# KiCad board Scan_Head_Set-Relay_board_03.01.2023.kicad_pcb (continued)
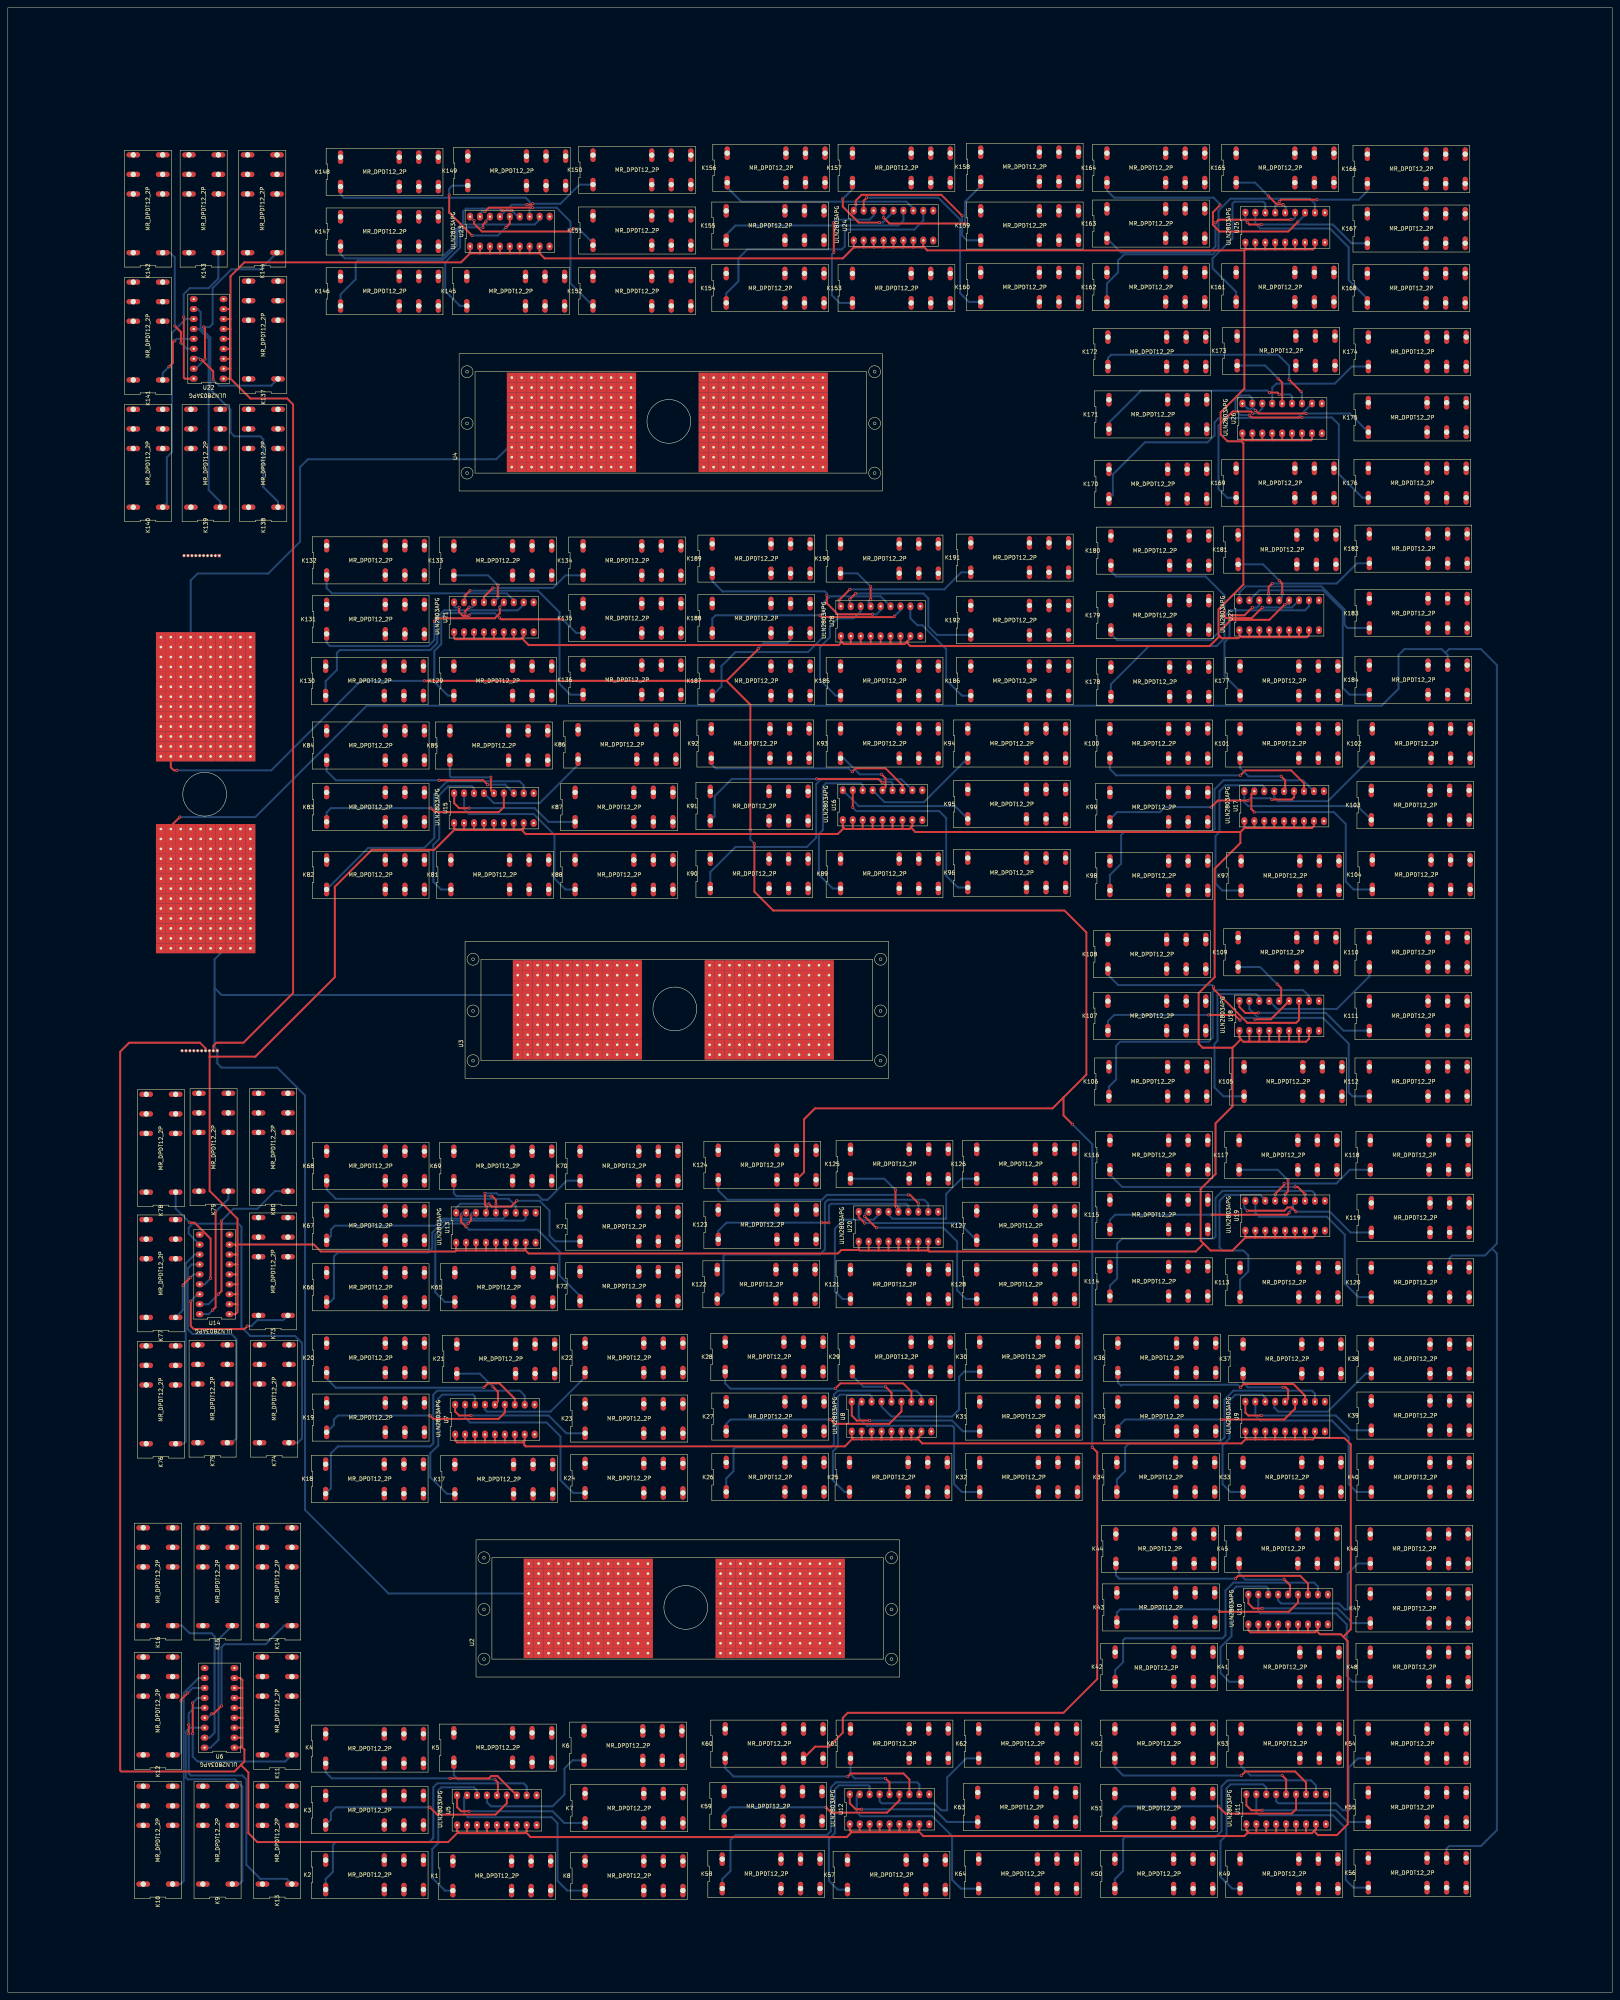
[diagram p0: board, top side]
## Routing (per net, layer and track width the routed paths; a pad name or vN(x,y) marks a point on that pad's centre or on a via; arc(x,y) is an arc through that point) (continued)
Net-(K72-PadA1): length 46.6
  Top w0.508: v1(117.08,195.55) 115.82,196.81 v1(115.82,198.31)
  Bottom w0.508: K72.A1 146.23,177.87 140.97,183.13 140.97,189.23 135.38,194.82 117.81,194.82 v1(117.08,195.55) ; v1(115.82,198.31) 115.82,198.88 116.08,199.14 U13.17
Net-(K73-PadA1): length 36
  Top w0.508: v1(61.21,170.18) 60.45,169.42 47.5,169.42 46.74,170.18 v1(46.74,176.53)
  Bottom w0.508: U14.16 48.51,178.31 v1(46.74,176.53) ; v1(61.21,170.18) 62.23,170.18 63.75,171.7 70.38,171.7 K73.A1
Net-(K74-PadA1): length 90.7
  Bottom w0.508: K74.A1 74.09,140.39 75.18,141.48 75.18,165.86 73.41,167.64 61.98,167.64 59.69,169.93 59.69,195.58 58.93,196.34 47.24,196.34 46.23,195.33 46.23,193.8 U14.11
Net-(K75-PadA1): length 60.6
  Bottom w0.508: K75.A1 57.33,140.39 58.42,141.48 58.42,166.88 57.15,168.15 47.24,168.15 45.97,169.42 45.97,184.91 46.99,185.93 U14.13
Net-(K76-PadA1): length 52.8
  Bottom w0.508: U14.12 47.75,188.47 45.47,186.18 45.47,140.72 44.88,140.13 K76.A1
Net-(K77-PadA1): length 14.5
  Top w0.508: v1(46.67,182.63) 44.77,180.72 v1(44.77,180.59)
  Bottom w0.508: U14.14 47.44,183.39 v1(46.67,182.63) ; K77.A1 44.7,174.22 44.7,180.53 v1(44.77,180.59)
Net-(K78-PadA1): length 29.9
  Top w0.508: v1(51.82,182.37) 51.82,192.5 47.73,196.58 v1(46.5,196.58)
  Bottom w0.508: K78.A1 42.88,200.2 v1(46.5,196.58) ; v1(51.82,182.37) 50.29,180.85 U14.15
Net-(K79-PadA1): length 35.8
  Top w0.508: v1(52.32,174.24) 53.09,175.01 v1(53.09,199.39)
  Bottom w0.508: K79.A1 56.34,202.64 v1(53.09,199.39) ; U14.18 51.31,173.23 v1(52.32,174.24)
Net-(K80-PadA1): length 45
  Top w0.508: v1(54.61,197.04) 54.61,179.13 v1(53.79,178.31)
  Bottom w0.508: v1(54.61,197.04) 54.61,197.1 57.66,200.15 63.75,200.15 68.25,204.65 K80.A1 ; U14.17 51.25,175.77 v1(53.79,178.31)
Net-(K81-PadA1): length 39.4
  Bottom w0.508: K81.A1 110.69,281.74 108.71,283.72 108.71,293.12 110.24,294.64 110.24,305.82 112.52,308.1 118.62,308.1 119.13,307.59 U15.16
Net-(K82-PadA1): length 70.8
  Bottom w0.508: K82.A1 92.08,292.35 106.43,292.35 108.97,294.89 108.97,306.07 112.27,309.37 130.81,309.37 131.83,308.36 U15.11
Net-(K83-PadA1): length 52.7
  Top w0.508: v1(108.11,302.51) 109.13,301.5 125.48,301.5 126.75,302.77 U15.13
  Bottom w0.508: v1(108.11,302.51) 82.55,302.51 81.46,301.42 K83.A1
Net-(K84-PadA1): length 52.9
  Top w0.508: v1(122.59,308.52) 121.48,309.63 v1(110.24,309.63)
  Bottom w0.508: v1(122.59,308.52) 127.09,308.52 U15.12 ; K84.A1 81.46,311.99 83.82,309.63 v1(110.24,309.63)
Net-(K85-PadA1): length 19
  Top w0.508: v1(123.44,310.39) 123.44,307.09 U15.14
  Bottom w0.508: v1(123.44,310.39) 113.28,310.39 112.96,310.72 K85.A1
Net-(K86-PadA1): length 30.6
  Bottom w0.508: U15.15 124.21,303.78 135.89,303.78 145.72,313.62 K86.A1
Net-(K87-PadA1): length 35.4
  Top w0.508: U15.18 114.05,303.78 115.32,302.51 v1(117.86,302.51)
  Bottom w0.508: K87.A1 138.13,299.01 134.62,302.51 v1(117.86,302.51)
Net-(K88-PadA1): length 47.5
  Bottom w0.508: K88.A1 142.44,281.74 139.7,284.48 139.7,295.66 134.37,300.99 117.86,300.99 116.59,302.26 U15.17
Net-(K89-PadA1): length 41.9
  Bottom w0.508: U16.16 218.44,308.36 217.93,308.86 209.04,308.86 208.28,308.1 208.28,296.93 207.26,295.91 207.26,285.5 210.77,281.99 K89.A1
Net-(K90-PadA1): length 74.8
  Bottom w0.508: K90.A1 179.5,286.18 185.93,292.61 204.22,292.61 206.56,294.95 206.56,308.66 207.77,309.88 228.35,309.88 U16.11
Net-(K91-PadA1): length 56.4
  Top w0.508: v1(206.66,309.98) 222.48,309.98 v1(223.43,309.03)
  Bottom w0.508: K91.A1 180.63,300.39 180.63,305.6 185.01,309.98 v1(206.66,309.98) ; v1(223.43,309.03) 223.57,309.17 225.75,309.17 226.06,308.86 U16.13
Net-(K92-PadA1): length 54.6
  Top w0.508: v1(215.8,311.82) 216.66,312.67 224.28,312.67 228.6,308.36 U16.12
  Bottom w0.508: v1(215.8,311.82) 214.95,312.67 180.85,312.67 179.76,313.76 K92.A1
Net-(K93-PadA1): length 17
  Top w0.508: U16.14 224.28,307.85 224.28,310.13 v1(223.27,311.15)
  Bottom w0.508: K93.A1 213.56,315.26 217.68,311.15 v1(223.27,311.15)
Net-(K94-PadA1): length 30.2
  Bottom w0.508: U16.15 224.03,304.04 234.06,304.04 K94.A1
Net-(K95-PadA1): length 35
  Bottom w0.508: U16.18 217.42,303.02 242.04,303.02 K95.A1
Net-(K96-PadA1): length 50.9
  Top w0.508: v1(215.9,302.68) U16.17
  Bottom w0.508: K96.A1 242.77,282.24 239.78,285.24 239.78,299.97 238,301.75 216.82,301.75 v1(215.9,302.68)
Net-(K97-PadA1): length 44.6
  Bottom w0.508: U17.16 321.06,307.85 320.55,308.36 311.15,308.36 309.63,306.83 309.63,296.42 308.61,295.4 308.61,283.21 310.34,281.48 K97.A1
Net-(K98-PadA1): length 77.5
  Bottom w0.508: K98.A1 281.61,285.42 284.48,288.29 284.48,295.66 285.24,296.42 307.59,296.42 308.36,297.18 308.36,307.34 310.64,309.63 330.96,309.63 U17.11
Net-(K99-PadA1): length 51.9
  Top w0.508: v1(307.5,302.77) 309.18,304.45 v1(316.9,304.45) ; v1(322.99,304.7) 328.07,304.7 328.68,305.31 U17.13
  Bottom w0.508: v1(316.9,304.45) 317.51,305.05 322.64,305.05 v1(322.99,304.7) ; v1(307.5,302.77) 295.66,302.77 294.39,301.5 283.46,301.5 281.61,299.65 K99.A1
Net-(K100-PadA1): length 57
  Top w0.508: v1(314.96,310.9) 316.23,312.17 327.91,312.17 331.22,308.86 U17.12
  Bottom w0.508: v1(314.96,310.9) 283.21,310.9 281.61,312.49 K100.A1
Net-(K101-PadA1): length 18.2
  Top w0.508: v1(325.37,310.64) 326.39,309.63 326.39,307.09 U17.14
  Bottom w0.508: K101.A1 314.89,312.75 316.99,310.64 v1(325.37,310.64)
Net-(K102-PadA1): length 31.6
  Bottom w0.508: U17.15 323.6,305.31 324.61,304.29 337.31,304.29 348.28,315.26 K102.A1
Net-(K103-PadA1): length 37.1
  Bottom w0.508: U17.18 315.98,304.04 316.99,303.02 344.91,303.02 K103.A1
Net-(K104-PadA1): length 52.9
  Top w0.508: v1(318.52,301.5) 317.75,302.26 317.75,306.07 U17.17
  Bottom w0.508: v1(318.52,301.5) 338.84,301.5 341.88,298.45 341.88,283.72 343.87,281.74 K104.A1
Net-(K105-PadA1): length 44.5
  Bottom w0.508: U18.16 319.79,254.25 319.02,255.02 309.37,255.02 309.12,254.76 309.12,243.08 308.36,242.32 308.36,231.14 310.59,228.9 K105.A1
Net-(K106-PadA1): length 77.6
  Bottom w0.508: U18.11 332.49,254.51 330.96,256.03 308.36,256.03 307.85,255.52 307.85,243.84 306.83,242.82 284.23,242.82 283.21,241.81 283.21,233.17 281.36,231.32 K106.A1
Net-(K107-PadA1): length 52.3
  Top w0.508: v1(314.86,248.32) 313.5,249.68 v1(306.83,249.68) ; v1(318.67,248.57) 322.74,248.57 U18.13
  Bottom w0.508: v1(318.67,248.57) 318.32,248.92 315.47,248.92 v1(314.86,248.32) ; K107.A1 281.1,248.08 282.7,249.68 v1(306.83,249.68)
Net-(K108-PadA1): length 60.9
  Top w0.508: v1(308.09,256.84) 308.09,256.3 316.74,247.65 329.18,247.65 329.95,248.41 U18.12
  Bottom w0.508: K108.A1 281.1,259.92 283.72,257.3 307.63,257.3 v1(308.09,256.84)
Net-(K109-PadA1): length 16.7
  Top w0.508: v1(324.36,257.56) 325.37,256.54 325.37,253.75 U18.14
  Bottom w0.508: v1(324.36,257.56) 319.99,261.92 K109.A1
Net-(K110-PadA1): length 32.3
  Bottom w0.508: U18.15 324.36,251.21 339.6,251.21 347.91,259.51 K110.A1
Net-(K111-PadA1): length 37.2
  Top w0.508: U18.18 314.71,251.71 316.23,250.19 v1(319.53,250.19)
  Bottom w0.508: v1(319.53,250.19) 336.8,250.19 341.33,245.67 K111.A1
Net-(K112-PadA1): length 49.2
  Bottom w0.508: U18.17 317.25,251.21 319.53,248.92 336.04,248.92 342.65,242.32 342.65,229.87 343.61,228.9 K112.A1
Net-(K113-PadA1): length 44.7
  Bottom w0.508: U19.16 321.31,202.44 320.04,203.71 311.15,203.71 309.63,202.18 309.63,190.25 310.39,189.48 315.72,189.48 316.99,188.21 316.99,184.15 314.89,182.04 K113.A1
Net-(K114-PadA1): length 78.2
  Bottom w0.508: U19.11 334.01,203.96 333.25,204.72 310.39,204.72 308.61,202.95 308.61,193.04 308.1,192.53 284.73,192.53 283.46,191.26 283.46,182.37 281.61,180.52 K114.A1
Net-(K115-PadA1): length 52.7
  Top w0.508: v1(307.76,198.63) 326.9,198.63 v1(327.41,199.14)
  Bottom w0.508: v1(327.41,199.14) 327.41,199.39 328.42,200.41 328.42,201.68 U19.13 ; v1(307.76,198.63) 282.96,198.63 281.61,197.28 K115.A1
Net-(K116-PadA1): length 54.9
  Top w0.508: v1(328.93,205.74) 329.6,205.74 v1(331.47,203.87)
  Bottom w0.508: K116.A1 281.61,208.86 284.73,205.74 v1(328.93,205.74) ; v1(331.47,203.87) U19.12
Net-(K117-PadA1): length 19.2
  Top w0.508: v1(326.39,203.87) 327.15,204.63 v1(327.15,207.45)
  Bottom w0.508: v1(326.39,203.87) U19.14 ; v1(327.15,207.45) 324.49,210.11 K117.A1
Net-(K118-PadA1): length 28.8
  Top w0.508: v1(326.14,206.59) 326.14,206.25 323.85,203.97 v1(323.85,203.87)
  Bottom w0.508: v1(326.14,206.59) 328.93,206.59 339.44,206.59 342.95,210.11 K118.A1 ; v1(323.85,203.87) U19.15
Net-(K119-PadA1): length 37.6
  Top w0.508: v1(329.18,199.39) 328.08,200.5 327.05,200.5 326.2,199.64 v1(316.74,199.64)
  Bottom w0.508: K119.A1 343.1,194.11 337.82,199.39 v1(329.18,199.39) ; v1(316.74,199.64) 315.98,200.41 315.98,201.93 U19.18
Net-(K120-PadA1): length 48.9
  Bottom w0.508: K120.A1 345.14,177.6 341.63,181.1 341.63,193.55 337.06,198.12 319.79,198.12 318.77,199.14 U19.17
Net-(K121-PadA1): length 34.2
  Bottom w0.508: K121.A1 213.31,177.09 211.33,179.07 211.33,195.07 213.61,197.36 221.23,197.36 222.5,198.63 U20.16
Net-(K122-PadA1): length 79.4
  Bottom w0.508: U20.11 235.2,201.42 234.19,202.44 209.55,202.44 208.79,201.68 208.79,189.74 207.52,188.47 183.13,188.47 182.88,188.21 182.88,178.69 K122.A1
Net-(K123-PadA1): length 57.9
  Top w0.508: v1(207.93,196.6) v1(209.8,196.6)
  Bottom w0.508: v1(209.8,196.6) 209.8,200.91 210.31,201.42 229.62,201.42 230.12,200.91 U20.13 ; v1(207.93,196.6) 183.64,196.6 181.54,194.49 K123.A1
Net-(K124-PadA1): length 58.5
  Top w0.508: v1(230.12,203.71) 230.54,203.71 v1(232.66,201.58)
  Bottom w0.508: v1(232.66,201.58) U20.12 ; v1(230.12,203.71) 209.3,203.71 208.03,202.44 183.9,202.44 181.54,204.8 K124.A1
Net-(K125-PadA1): length 19.4
  Top w0.508: v1(227.11,200.57) 226.82,200.86 v1(226.82,204.98)
  Bottom w0.508: U20.14 227.84,199.64 227.84,200.66 227.2,200.66 v1(227.11,200.57) ; K125.A1 223.98,207.82 v1(226.82,204.98)
Net-(K126-PadA1): length 31.7
  Bottom w0.508: K126.A1 243.64,207.82 239.78,203.96 239.78,197.61 226.06,197.61 225.04,198.63 U20.15
Net-(K127-PadA1): length 34
  Top w0.508: v1(218.95,196.5) 217.42,198.03 U20.18
  Bottom w0.508: v1(218.95,196.5) 243.15,196.5 K127.A1
Net-(K128-PadA1): length 46.6
  Top w0.508: v1(218.95,198.21) 221.83,195.33 v1(222,195.33)
  Bottom w0.508: v1(218.95,198.21) 218.95,198.88 219.46,199.39 U20.17 ; K128.A1 244.81,177.09 242.57,179.32 242.57,191.77 239.01,195.33 v1(222,195.33)
Net-(K129-PadA1): length 34.4
  Top w0.508: v1(117.86,353.82) 116.84,352.81 v1(116.84,352.34)
  Bottom w0.508: U21.16 119.13,354.33 118.62,353.82 v1(117.86,353.82) ; K129.A1 112.47,331.27 108.97,334.77 108.97,342.65 110.74,344.42 110.74,351.28 111.8,352.34 v1(116.84,352.34)
Net-(K130-PadA1): length 69.3
  Bottom w0.508: K130.A1 81.21,334.95 84.07,337.82 84.07,342.14 84.84,342.9 107.95,342.9 109.73,344.68 109.73,351.28 111.51,353.06 130.3,353.06 131.83,354.58 U21.11
Net-(K131-PadA1): length 56.4
  Top w0.508: v1(125.73,353.78) 125.73,352.3 124.46,351.03 109.77,351.03 v1(109,350.27)
  Bottom w0.508: v1(109,350.27) 109,345.48 107.44,343.92 82.3,343.92 81.46,344.75 K131.A1 ; v1(125.73,353.78) 125.73,354.08 U21.13
Net-(K132-PadA1): length 53
  Bottom w0.508: U21.12 129.29,355.6 127.51,357.38 82.8,357.38 81.46,358.72 K132.A1
Net-(K133-PadA1): length 17.1
  Top w0.508: v1(125.22,359.48) v1(125.22,356.68)
  Bottom w0.508: v1(125.22,356.68) 125.22,356.11 U21.14 ; K133.A1 122.7,362 v1(125.22,359.48)
Net-(K134-PadA1): length 29
  Top w0.508: U21.15 121.67,356.49 v1(123.95,358.78)
  Bottom w0.508: v1(123.95,358.78) 139.32,358.78 142.54,362 K134.A1
Net-(K135-PadA1): length 38
  Top w0.508: v1(117.86,351.79) 117.7,351.64 116.3,351.64 115.32,352.62 v1(115.32,353.78) ; v1(141.73,350.77) 125.98,350.77 v1(125.61,351.15)
  Bottom w0.508: K135.A1 145.24,347.27 v1(141.73,350.77) ; U21.18 114.05,354.08 114.34,353.78 v1(115.32,353.78) ; v1(125.61,351.15) 124.46,352.3 118.36,352.3 v1(117.86,351.79)
Net-(K136-PadA1): length 54.2
  Top w0.508: v1(116.84,356.68) 116.84,356.81 v1(118.11,358.08)
  Bottom w0.508: U21.17 116.84,355.35 v1(116.84,356.68) ; v1(118.11,358.08) 135.44,358.08 140.97,352.55 140.97,334.26 143.71,331.52 K136.A1
Net-(K137-PadA1): length 26.5
  Top w0.508: v1(49.28,417.07) 49.53,417.07 52.48,414.12 v1(52.48,411.99)
  Bottom w0.508: v1(49.28,417.07) 48.77,417.58 47.75,417.58 U22.16 ; v1(52.48,411.99) 54.01,410.46 67.33,410.46 K137.A1
Net-(K138-PadA1): length 64
  Bottom w0.508: K138.A1 69.04,380.8 65.28,384.56 65.28,396.75 64.52,397.51 57.91,397.51 56.9,398.53 56.9,404.3 51.76,409.44 51.76,422.71 49.28,425.2 49.28,429.26 48.51,430.02 U22.11
Net-(K139-PadA1): length 49.1
  Bottom w0.508: K139.A1 54.31,380.8 51.31,383.79 51.31,422.4 48.77,424.94 U22.13
Net-(K140-PadA1): length 52.6
  Bottom w0.508: K140.A1 40.64,380.47 40.64,392.18 41.91,393.45 41.91,414.99 41.91,414.99 41.91,415.59 41.91,415.59 41.91,423.93 45.47,427.48 U22.12
Net-(K141-PadA1): length 16.4
  Top w0.508: v1(41.19,415.29) 42.16,416.27 42.16,421.64 42.42,421.89 v1(42.63,421.89)
  Bottom w0.508: U22.14 43.14,422.4 v1(42.63,421.89) ; v1(41.19,415.29) 39.57,413.68 K141.A1
Net-(K142-PadA1): length 30
  Top w0.508: v1(44.23,421.39) 44.23,424.14 v1(42.67,425.71)
  Bottom w0.508: U22.15 45.76,419.86 v1(44.23,421.39) ; v1(42.67,425.71) 42.67,443.23 42.67,443.23 41.48,444.43 K142.A1
Net-(K143-PadA1): length 41.1
  Top w0.508: v1(44.95,427.99) 44.96,427.99 44.96,412.5 45.21,412.24 U22.18
  Bottom w0.508: v1(44.95,427.99) 44.95,433.83 46.48,435.36 51.31,435.36 53.8,437.85 K143.A1
Net-(K144-PadA1): length 44.3
  Top w0.508: v1(50.37,417.25) 50.37,425.12 v1(50.04,425.45)
  Bottom w0.508: K144.A1 64.54,440.18 57.15,440.18 52.32,435.36 52.32,426.21 51.57,425.45 v1(50.04,425.45) ; v1(50.37,417.25) 50.37,417.14 48.02,414.78 U22.17
Net-(K145-PadA1): length 33.5
  Top w0.508: v1(121.41,450.89) 121.41,451.57 v1(122.17,452.34)
  Bottom w0.508: U23.16 122.17,452.63 v1(122.17,452.34) ; v1(121.41,450.89) 116.88,450.89 115.57,449.58 115.57,445.77 111.76,441.96 111.76,434.59 115.52,430.83 K145.A1
Net-(K146-PadA1): length 67.1
  Bottom w0.508: U23.11 135.89,452.88 134.62,451.61 116.59,451.61 114.81,449.83 114.81,446.28 111,442.47 89.41,442.47 88.9,441.96 88.9,437.64 85.02,433.76 K146.A1
Net-(K147-PadA1): length 58.1
  Top w0.508: v1(126.25,455.19) 126.27,455.21 v1(128.79,455.21)
  Bottom w0.508: v1(128.79,455.21) 130.35,453.64 U23.13 ; v1(126.25,455.19) 125.76,455.68 121.16,455.68 121.19,455.68 117.09,455.68 116.33,454.91 116.33,452.12 114.3,450.09 114.3,446.53 110.74,442.98 86.11,442.98 85.02,444.07 K147.A1
Net-(K148-PadA1): length 54.9
  Bottom w0.508: K148.A1 85.02,459.31 85.85,458.47 132.33,458.47 133.35,457.45 U23.12
Net-(K149-PadA1): length 32.1
  Top w0.508: v1(112.78,459.19) 112.78,454.66 v1(118.62,448.82) ; v1(127.25,450.85) 128.27,451.87 U23.14
  Bottom w0.508: K149.A1 113.59,461.57 112.78,460.76 v1(112.78,459.19) ; v1(127.25,450.85) 125.22,448.82 v1(118.62,448.82)
Net-(K150-PadA1): length 27.2
  Top w0.508: v1(134.07,456.93) 133.84,456.69 v1(132.59,456.69)
  Bottom w0.508: U23.15 128.78,456.69 v1(132.59,456.69) ; K150.A1 146.1,461.82 141.2,456.93 134.08,456.93 v1(134.07,456.93)
Net-(K151-PadA1): length 35.8
  Top w0.508: v1(144.49,450.6) 143.73,449.83 121.16,449.83 119.13,451.87 v1(119.13,452.63)
  Bottom w0.508: v1(119.13,452.63) U23.18 ; K151.A1 149.53,446.86 145.8,450.6 v1(144.49,450.6)
Net-(K152-PadA1): length 49.9
  Top w0.508: v1(121.92,454.95) 122.9,455.93 v1(134.07,455.93)
  Bottom w0.508: v1(134.07,455.93) 140.21,455.93 143.76,452.37 143.76,436.6 K152.A1 ; U23.17 120.65,454.41 121.2,454.95 v1(121.92,454.95)
Net-(K153-PadA1): length 37
  Top w0.508: v1(211.07,444.5) v1(211.07,452.12)
  Bottom w0.508: U24.16 221.23,453.9 220.22,452.88 211.84,452.88 v1(211.07,452.12) ; v1(211.07,444.5) 210.57,443.99 210.57,433.58 212.55,431.6 K153.A1
Net-(K154-PadA1): length 68.7
  Bottom w0.508: K154.A1 183.57,434.01 186.69,437.13 186.69,442.98 188.98,445.26 213.11,445.26 213.87,446.02 213.87,449.83 214.38,450.34 231.65,450.34 233.93,452.63 U24.11
Net-(K155-PadA1): length 50.7
  Bottom w0.508: U24.13 228.85,452.63 227.58,451.36 185.93,451.36 183.57,449 K155.A1
Net-(K156-PadA1): length 51.6
  Bottom w0.508: U24.12 231.39,455.68 229.62,457.45 187.45,457.45 183.82,461.08 K156.A1
Net-(K157-PadA1): length 23.2
  Top w0.508: v1(222.76,452.12) 217.43,452.12 213.36,456.19 v1(213.36,458.18)
  Bottom w0.508: K157.A1 215.83,460.64 v1(213.36,458.18) ; U24.14 226.31,454.9 223.53,452.12 v1(222.76,452.12)
Net-(K158-PadA1): length 35.6
  Top w0.508: v1(223.77,453.39) 225.3,451.87 v1(244.6,451.87)
  Bottom w0.508: v1(223.77,453.39) U24.15 ; K158.A1 248.59,461.44 244.6,457.45 v1(244.6,451.87)
Net-(K159-PadA1): length 43.1
  Top w0.508: v1(216.68,456.73) 216.68,457.73 218.15,459.19 238.54,459.19 v1(243.84,453.9)
  Bottom w0.508: v1(216.68,456.73) 216.68,455.7 U24.18 ; K159.A1 245.06,447.6 243.84,448.82 v1(243.84,453.9)
Net-(K160-PadA1): length 54.8
  Top w0.508: U24.17 218.69,457.71 v1(219.46,458.47)
  Bottom w0.508: K160.A1 245.57,431.85 243.33,434.09 243.33,452.88 237.74,458.47 v1(219.46,458.47)
Net-(K161-PadA1): length 40.8
  Bottom w0.508: K161.A1 313.87,434.41 307.85,440.44 307.85,442.98 312.93,448.06 312.93,456.95 313.44,457.45 320.8,457.45 321.31,456.95 U25.16
Net-(K162-PadA1): length 77.1
  Bottom w0.508: K162.A1 280.85,436.55 283.72,439.42 283.72,442.47 285.24,443.99 307.85,443.99 309.37,445.52 309.37,455.17 312.42,458.22 332.74,458.22 334.01,456.95 U25.11
Net-(K163-PadA1): length 58.1
  Top w0.508: v1(327.91,452.88) 327.88,452.85 309.37,452.85 v1(308.65,452.12)
  Bottom w0.508: U25.13 328.93,453.39 328.42,452.88 v1(327.91,452.88) ; K163.A1 284.46,444.5 307.09,444.5 308.61,446.02 308.61,452.08 v1(308.65,452.12)
Net-(K164-PadA1): length 65
  Top w0.508: v1(329.69,452.34) 327.19,449.83 309.63,449.83 307.92,451.54 307.92,454.74 v1(309.75,456.57)
  Bottom w0.508: U25.12 331.47,454.11 v1(329.69,452.34) ; v1(309.75,456.57) 309.75,456.82 308.1,458.47 282.7,458.47 280.85,460.32 K164.A1
Net-(K165-PadA1): length 16.8
  Top w0.508: v1(322.07,458.94) 324.25,456.77 325.81,456.77 v1(325.88,456.69)
  Bottom w0.508: K165.A1 318.68,462.33 v1(322.07,458.94) ; U25.14 326.64,454.91 326.64,455.93 v1(325.88,456.69)
Net-(K166-PadA1): length 28.8
  Top w0.508: v1(324.87,457.49) 325.34,457.96 v1(334.52,457.96)
  Bottom w0.508: K166.A1 347.4,460.17 345.19,457.96 v1(334.52,457.96) ; v1(324.87,457.49) 323.85,456.48 U25.15
Net-(K167-PadA1): length 35.6
  Top w0.508: v1(316.74,452.12) 317.25,451.61 v1(320.29,451.61)
  Bottom w0.508: K167.A1 343.36,446.84 338.58,451.61 v1(320.29,451.61) ; U25.18 316.23,452.63 v1(316.74,452.12)
Net-(K168-PadA1): length 45.3
  Bottom w0.508: K168.A1 347.4,432.67 342.65,437.42 342.65,445.77 337.82,450.6 320.04,450.6 318.77,451.87 U25.17
Net-(K169-PadA1): length 36.2
  Top w0.508: v1(318.12,403.41) 317.68,403.86 313.02,403.86 v1(310.64,401.48)
  Bottom w0.508: K169.A1 311.61,381.81 309.37,384.05 309.37,400.21 v1(310.64,401.48) ; U26.16 320.55,404.62 319.34,403.41 v1(318.12,403.41)
Net-(K170-PadA1): length 67
  Bottom w0.508: U26.11 329.56,402.21 309.5,402.21 308.36,401.07 308.36,397.76 306.58,395.99 290.58,395.99 282.36,387.77 282.36,382.56 K170.A1
Net-(K171-PadA1): length 54.3
  Top w0.508: v1(324.9,408.18) 324.4,408.69 v1(322.36,408.69)
  Bottom w0.508: v1(324.9,408.18) 327.66,408.18 328.17,407.67 U26.13 ; K171.A1 281.36,400.99 289.56,409.19 321.86,409.19 v1(322.36,408.69)
Net-(K172-PadA1): length 61
  Top w0.508: v1(327.41,411.99) v1(330.45,408.94)
  Bottom w0.508: U26.12 330.71,408.69 v1(330.45,408.94) ; K172.A1 281.1,417.5 281.94,418.34 324.61,418.34 327.41,415.54 v1(327.41,411.99)
Net-(K173-PadA1): length 18.6
  Top w0.508: U26.14 325.63,411.23 v1(324.61,412.24)
  Bottom w0.508: K173.A1 321.26,415.59 v1(324.61,412.24)
Net-(K174-PadA1): length 30.9
  Bottom w0.508: K174.A1 343.46,415.34 339.09,410.97 324.1,410.97 323.09,409.96 U26.15
Net-(K175-PadA1): length 35.2
  Top w0.508: v1(331.73,403.35) 319.6,403.35 v1(318.8,404.15)
  Bottom w0.508: v1(318.8,404.15) 318.38,404.57 316.79,404.57 U26.18 ; K175.A1 342.88,403.35 v1(331.73,403.35)
Net-(K176-PadA1): length 59.6
  Top w0.508: v1(317.25,402.93) 317.85,402.33 v1(330.71,402.33)
  Bottom w0.508: v1(330.71,402.33) 338.33,402.33 340.11,400.56 340.11,387.86 346.15,381.81 K176.A1 ; v1(317.25,402.93) 314.87,402.93 313.69,404.11 313.69,406.65 314.96,407.92 317.25,407.92 318.01,407.16 U26.17
Net-(K177-PadA1): length 32.6
  Top w0.508: v1(312.17,351.79) 316.01,351.79 v1(318.01,353.78)
  Bottom w0.508: K177.A1 314.89,332.34 310.9,336.33 310.9,344.93 312.17,346.2 312.17,351.78 v1(312.17,351.79) ; v1(318.01,353.78) 319.24,353.78 319.79,354.33 U27.16
Net-(K178-PadA1): length 66.8
  Bottom w0.508: K178.A1 281.87,334.19 291.59,343.92 308.86,343.92 310.9,345.95 310.9,351.54 312.42,353.06 331.47,353.06 332.49,354.08 U27.11
Net-(K179-PadA1): length 52
  Top w0.508: v1(310.17,348.23) 312.55,350.61 322.35,350.61 v1(326.3,354.57)
  Bottom w0.508: v1(326.3,354.57) 327.39,354.57 327.41,354.58 U27.13 ; v1(310.17,348.23) 307.38,345.44 283.46,345.44 281.87,347.04 K179.A1
Net-(K180-PadA1): length 59.5
  Top w0.508: v1(310.9,353.06) 310.9,351.54 311.37,351.06 317.82,351.06 v1(320.55,353.78)
  Bottom w0.508: v1(320.55,353.78) 328.13,353.78 U27.12 ; K180.A1 281.87,363.04 283.21,361.7 306.07,361.7 310.9,356.87 v1(310.9,353.06)
Net-(K181-PadA1): length 17.9
  Top w0.508: v1(325.63,357.42) 325.63,359.92 v1(324.87,360.68)
  Bottom w0.508: U27.14 325.63,356.36 v1(325.63,357.42) ; v1(324.87,360.68) 320.75,364.79 K181.A1
Net-(K182-PadA1): length 31.7
  Top w0.508: v1(322.17,357.42) 322.17,359 v1(323.09,359.92)
  Bottom w0.508: v1(322.17,357.42) 322.17,355.76 U27.15 ; v1(323.09,359.92) 339.6,359.92 344.73,365.05 K182.A1
Net-(K183-PadA1): length 42.6
  Bottom w0.508: U27.18 314.71,357.63 316.23,359.16 335.66,359.16 341.57,353.25 341.57,349.31 342.34,348.54 K183.A1
Net-(K184-PadA1): length 54.3
  Bottom w0.508: U27.17 319.79,358.14 336.04,358.14 341.12,353.06 341.12,333.25 342.85,331.52 K184.A1
Net-(K185-PadA1): length 32.4
  Bottom w0.508: K185.A1 211.53,331.27 207.52,335.28 207.52,343.66 210.06,346.2 210.06,349 212.09,351.03 216.15,351.03 217.93,352.81 U28.16
Net-(K186-PadA1): length 31.3
  Bottom w0.508: K186.A1 243.79,331.27 239.78,335.28 239.78,343.15 233.68,349.25 232.41,349.25 230.63,351.03 U28.11
Net-(K187-PadA1): length 65.2
  Bottom w0.508: U28.13 223.01,356.62 210.06,356.62 208.28,354.84 208.28,346.2 204.47,342.39 185.93,342.39 182.37,338.84 182.37,333.63 K187.A1
Net-(K188-PadA1): length 54
  Top w0.508: v1(226.57,351.54) 226.35,351.32 207.99,351.32 v1(207.52,351.79)
  Bottom w0.508: v1(226.57,351.54) 228.09,353.06 U28.12 ; K188.A1 180.01,350.95 180.85,351.79 v1(207.52,351.79)
Net-(K189-PadA1): length 51.4
  Top w0.508: v1(209.29,356.87) 209.29,354.84 212.09,352.04 v1(220.98,352.04)
  Bottom w0.508: K189.A1 180.01,360.5 182.63,357.89 208.79,357.89 209.29,357.38 v1(209.29,356.87) ; v1(220.98,352.04) 222,352.04 223.01,353.06 U28.14
Net-(K190-PadA1): length 14.6
  Top w0.508: v1(220.47,359.12) v1(220.47,355.85)
  Bottom w0.508: K190.A1 217.08,362.51 v1(220.47,359.12) ; v1(220.47,355.85) 219.96,355.35 219.96,354.58 U28.15
Net-(K191-PadA1): length 38.4
  Top w0.508: v1(215.14,358.39) v1(212.34,355.6)
  Bottom w0.508: U28.18 212.34,354.58 v1(212.34,355.6) ; K191.A1 243.64,362.76 239.27,358.39 v1(215.14,358.39)
Net-(K192-PadA1): length 42
  Top w0.508: v1(216.66,357.34) 216.59,357.34 v1(215.14,355.89)
  Bottom w0.508: K192.A1 237.44,346.76 235.2,349 235.2,356.11 233.97,357.34 v1(216.66,357.34) ; U28.17 215.14,354.33 v1(215.14,355.89)
unconnected-(J1-Pad1): length 428.1
  Bottom w0.508: 52.83,256.54 52.83,241.42 52.89,241.42 53.52,240.78 J1.1 53.52,237.31 54.61,236.22 68.83,236.22 75.95,229.11 75.95,123.19 97.28,101.85 U2.A7 ; 52.83,256.54 52.83,263.91 54.36,265.43 U1.CC4 ; 52.83,256.54 54.61,254.76 U3.A7 ; U1.A7 46.74,360.68 48.51,362.46 66.55,362.46 74.68,370.59 74.68,389.64 76.71,391.67 124.82,391.67 127.87,394.72 U4.A3

## Copper pours and planes (outline as drawn; the poured copper is in the pictures)
+12V on +12V: 409.7,0.25 0.25,0.25 0.25,506.73 409.7,506.73
AGND on AGND: 409.7,0.25 0.25,0.25 0.25,506.73 409.7,506.73
DGND on Bottom: 409.7,0.25 0.25,0.25 0.25,506.73 409.7,506.73
(no net) on Top: 409.7,0.25 0.25,0.25 0.25,506.73 409.7,506.73

## Text on the board
User.Comments: Copper Layer Count: | Board overall dimensions: | Min track/spacing: | Copper Finish: | Castellated pads: | Edge card connectors: | 4 | 413.2580 mm x 511.3020 mm | 0.2000 mm / 0.0000 mm | None | No | Board Thickness: | Min hole diameter: | Impedance Control: | Plated Board Edge: | 4.6900 mm | 0.3000 mm | BOARD CHARACTERISTICS
